# Altium PCB LimePSB-RPCM_1v2.PcbDoc (part 9 of 10) (continued)
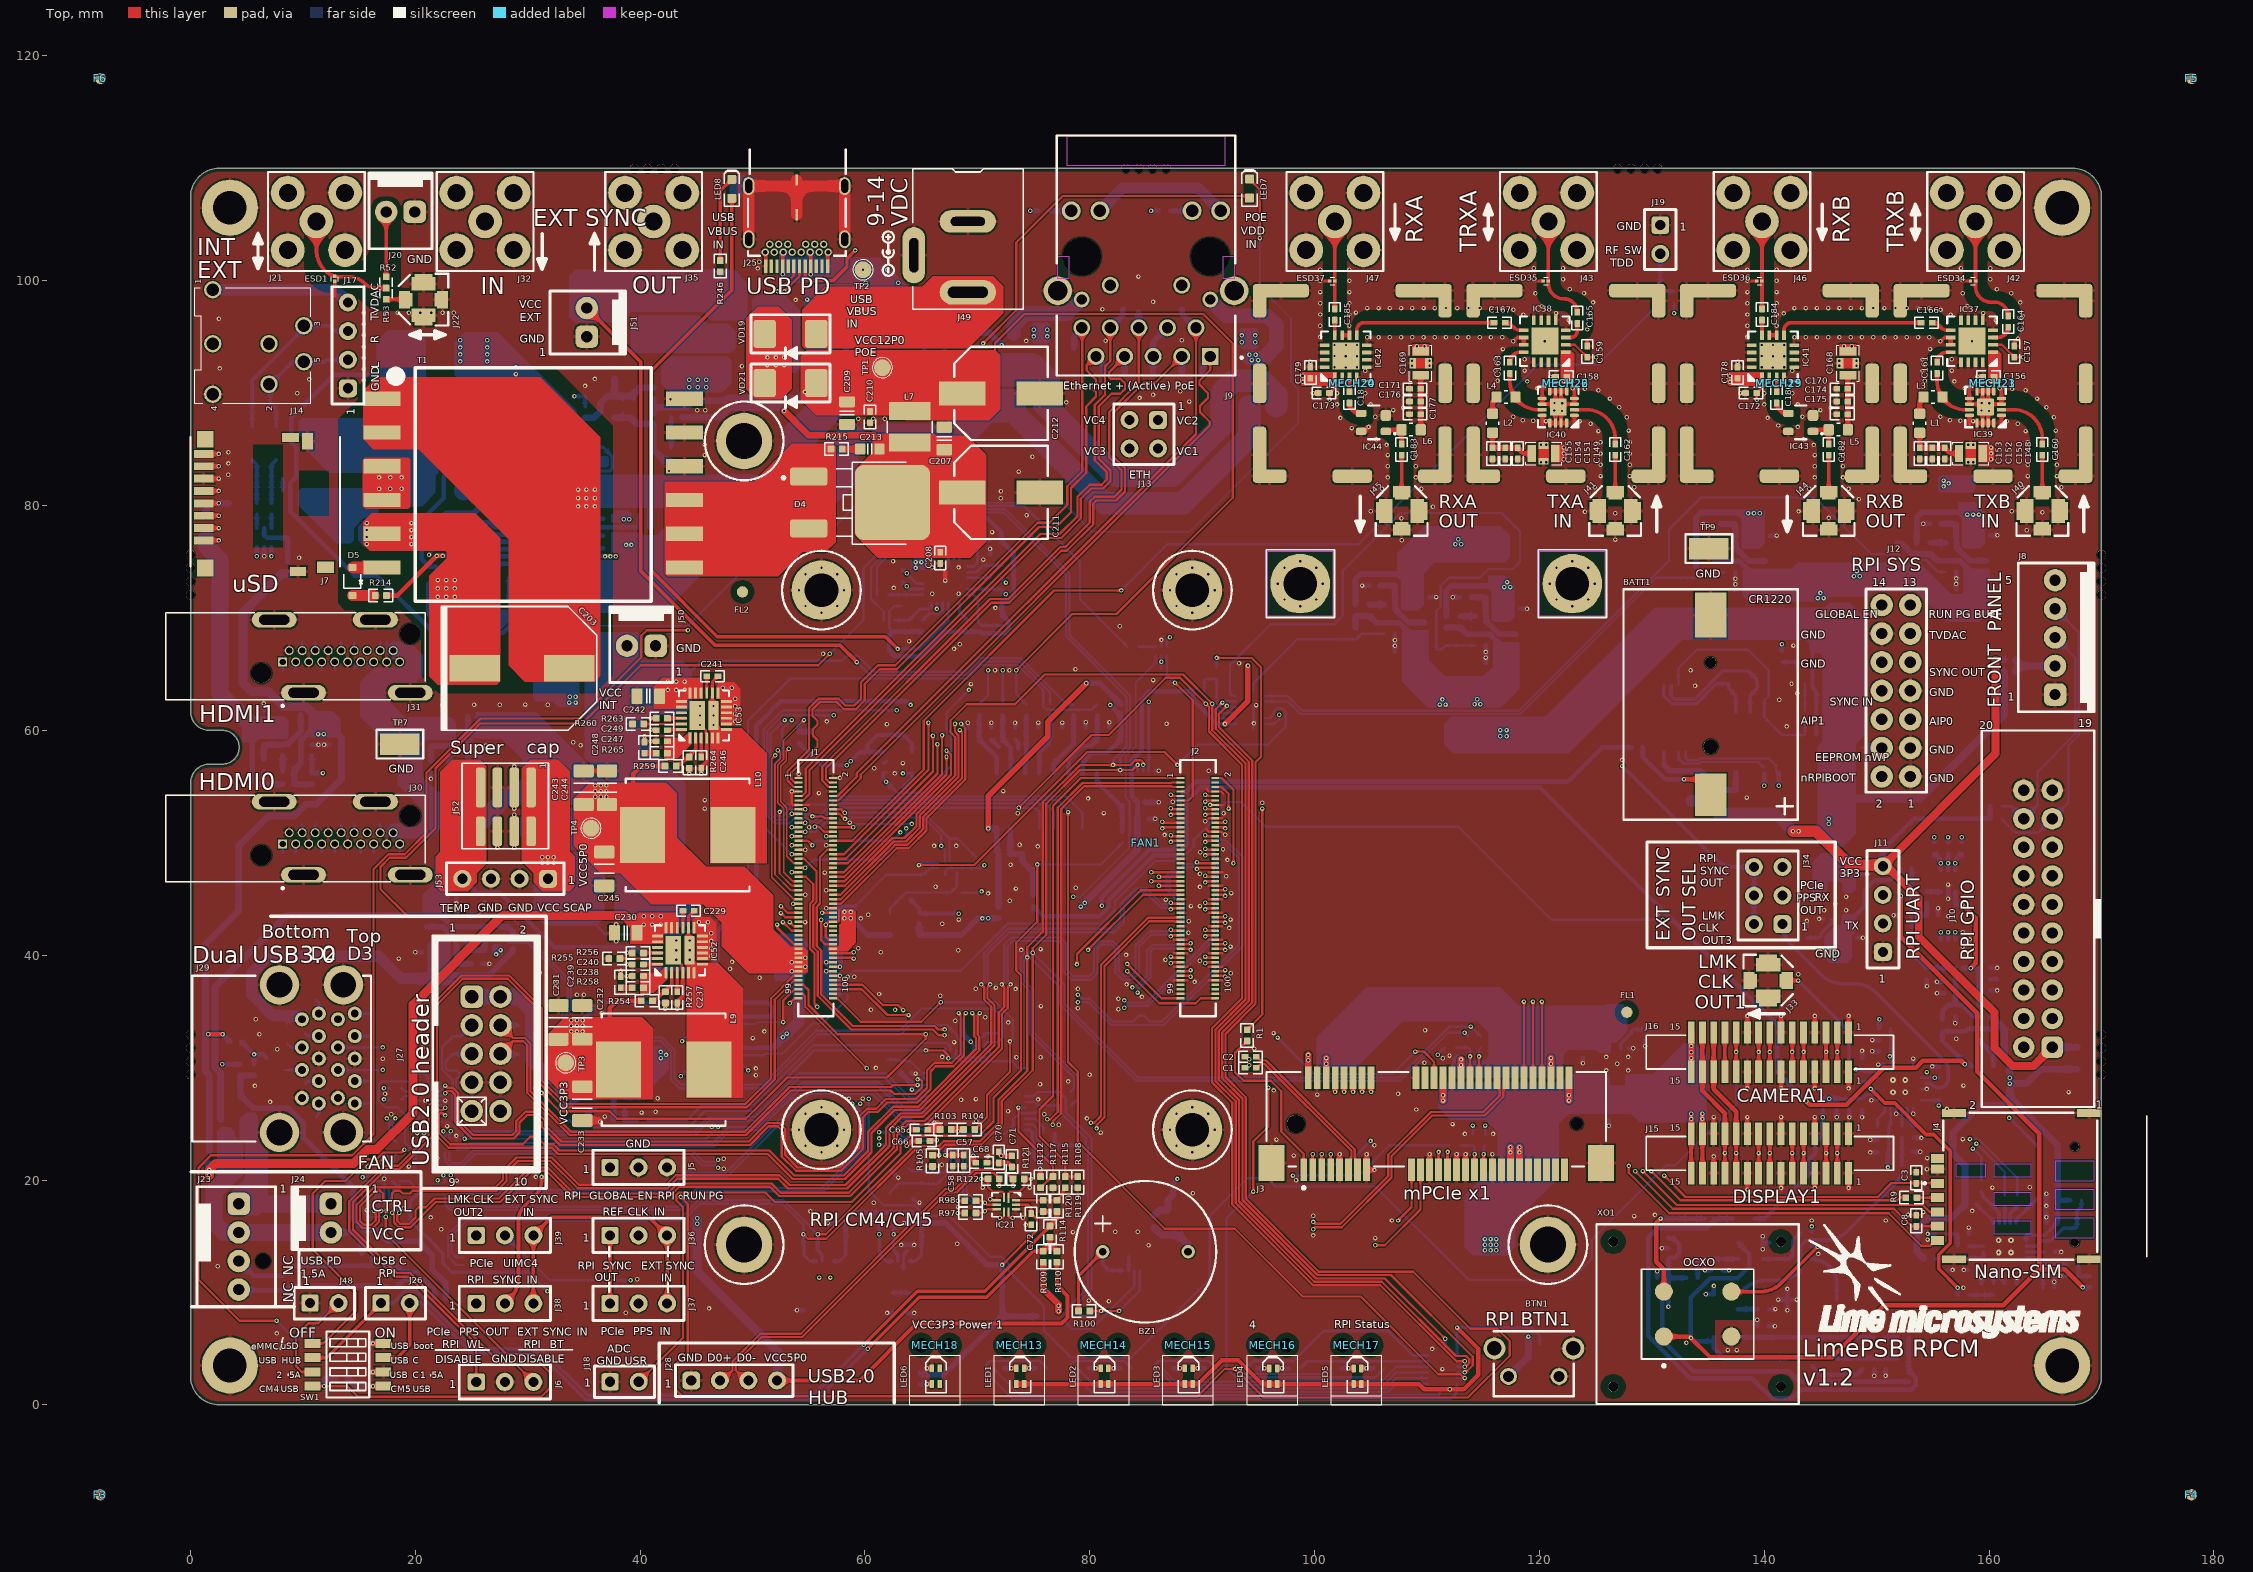
[diagram p0: Top view]
## Other copper (continued)
  region net VCC3P3_CLK: 146.875,43.525 146.875,42.8 146.75,42.675 146.35,42.675 145.4,41.725 145.4,39.725 145.8,39.325 147.325,39.325 147.775,39.775 147.775,41.75 148.2,42.175 148.2,43.35 147.925,43.625 146.975,43.625
  region net NetC251_2: 145.425,45.525 144.5,45.525 144.3,45.725 144.3,48.3 145.05,49.05 147.325,49.05 148.15,48.225 148.15,45.875 147.825,45.55 147.175,45.55 146.975,45.75 146.975,46.4 146.8,46.575 145.8,46.575 145.6,46.375 145.6,45.675 145.45,45.525
  region net VCC_FAN: 2.5,18.35 4.675,20.525 4.675,23.125 3.875,23.925 3.125,23.925 3.125,20.25 2.5,19.625
  region net NetC50_2: 5.1,23.225 4.875,23 4.875,20.175 3.3,18.6 3.3,16.95 3.375,16.875 6.05,16.875 6.875,17.7 6.875,22.525 6.175,23.225
  region net VCC_INT: 48.1,92.925 48.1,90.875 47.325,90.1 42.6,90.1 41.875,90.825 41.875,92.45 42.65,93.225 47.8,93.225
  region net NetFR13_1: 39.15,96.65 39.15,93.8 39.35,93.6 42.5,93.6 48.075,93.6 48.45,93.975 48.45,95.525 47.8,96.175 45.95,96.175 45.25,96.875 39.375,96.875
  region net VCC_EXT: 49.525,96.5 46.3,96.5 45.575,97.225 39.25,97.225 38.35,96.325 34.125,96.325 33.7,96.75 33.7,100.45 34.225,100.975 48.35,100.975 49.525,99.8
  region net POE_IN+: 33.7,79.2 30.25,79.2 29.825,79.625 29.825,82.125 30.475,82.775 34.1,82.775 35.975,82.775 35.975,79.45 35.725,79.2
  region net GNDE2: 26.325,74.425 26.325,72.45 25.9,72.025 25.625,72.025 25.4,71.8 25.4,70.725 24.55,69.875 21.35,69.875 20.95,70.275 20.95,73.1 21.55,73.7 24.125,73.7 24.85,74.425
  region net NetR229_1: 17.35,88.325 16.55,89.125 16.55,94.6 17.55,95.6 20.075,95.6 20.925,94.75 20.925,88.9 20.35,88.325
  region net GNDE1: 37.425,77.65 38.4,77.65 38.475,77.575 40.15,77.575 40.6,77.125 44.975,77.125 44.975,75.95 43.075,74.05 37,74.05 38.2,75.25 38.2,75.7 38.05,75.85 37.425,75.85
  region net POE_IN+: 33.7,79.2 33.2,79.7 33.2,81.425 35.675,81.425 36.45,80.65 36.45,79.925 35.725,79.2
  region net GNDE1: 43.3,75.125 43.5,74.925 40.35,71.775 33.475,71.775 31.45,73.8 31.45,75.125
  region net VCC5P0_HDMI: 23.585,59.323 23.435,59.173 20.96,59.173 20.612,58.825 19.487,58.825 19.487,60.325 20.335,61.173 23.16,61.173 23.585,60.748
  region net VCC5P0: 25.375,61.623 25.375,60.013 25.085,59.723 25.535,59.273 27.76,59.273 28.26,59.773 28.26,60.873 27.51,61.623
  region net VCC_USB_PD: 54.6,99.2 54.6,94.075 55.4,93.275 56.5,93.275 60.15,96.925 60.15,99.075 59.525,99.7 55.1,99.7
  region net VCC5P0: 20.66,43.23 22.27,43.23 22.56,42.94 23.01,43.39 23.01,45.615 22.51,46.115 21.41,46.115 20.66,45.365
  region net VCC5P0_USBS: 22.96,41.44 23.11,41.29 23.11,38.815 23.458,38.467 23.458,37.342 21.958,37.342 21.11,38.19 21.11,41.015 21.535,41.44
  region net VCC5P0_RFA: 118.225,67.86 116.615,67.86 116.325,68.15 115.875,67.7 115.875,65.475 116.375,64.975 117.475,64.975 118.225,65.725
  region net VCC5P0_TXB_PA: 157.773,76.19 157.623,76.34 157.623,78.815 157.275,79.163 157.275,80.288 158.775,80.288 159.623,79.44 159.623,76.615 159.198,76.19
  region net VCC5P0_RFB: 160.073,74.4 158.463,74.4 158.173,74.69 157.723,74.24 157.723,72.015 158.223,71.515 159.323,71.515 160.073,72.265
  region net VCC5P0_RFB: 140.435,74.372 138.825,74.372 138.535,74.663 138.085,74.213 138.085,71.987 138.585,71.487 139.685,71.487 140.435,72.237
  region net VCC5P0_RXB_LNA: 138.135,76.162 137.985,76.312 137.985,78.788 137.637,79.136 137.637,79.65 139.748,79.65 139.985,79.413 139.985,76.587 139.56,76.162
  region net VCC5P0_TXA_PA: 115.925,69.65 115.775,69.8 115.775,72.275 115.427,72.623 115.427,73.748 116.927,73.748 117.775,72.9 117.775,70.075 117.35,69.65
  region net VCC5P0_RXA_LNA: 107.848,70.69 107.698,70.84 107.698,73.315 107.35,73.663 107.35,74.788 108.85,74.788 109.698,73.94 109.698,71.115 109.273,70.69
  region net VCC5P0_RFA: 110.148,68.9 108.538,68.9 108.248,69.19 107.798,68.74 107.798,66.515 108.298,66.015 109.398,66.015 110.148,66.765

## Silkscreen, mask and mechanical layers (free items; w line width, h text height)
TopOverlay:
  drawing of 2463 lines, arcs and shapes, not listed
  text "POE" at 93.85,105.3 h0.7
  text "USB" at 46.425,105.275 h0.7
  text "EXT SYNC" at 30.5,104.85 h1.5
  text "9-14" at 62.2,104.825 h2.5 r90
  text "VDC" at 64.275,104.825 h2.5 r90
  text "GND" at 126.875,104.475 h0.7
  text "1" at 132.5,104.45 h0.7
  text "VDD" at 93.45,104.075 h0.7
  text "VBUS" at 46.025,104.05 h0.7
  text "RXA" at 109.625,103.35 h1.5 r90
  text "RXB" at 147.625,103.35 h1.5 r90
  text "IN" at 93.875,102.875 h0.7
  text "IN" at 46.45,102.85 h0.7
  text "TRXA" at 114.425,102.525 h1.5 r90
  text "TRXB" at 152.425,102.525 h1.5 r90
  text "RF" at 125.875,102.35 h0.7
  text "SW" at 127.55,102.35 h0.7
  text "INT" at 0.575,102.275 h1.5
  text "GND" at 19.275,101.575 h0.7
  text "TDD" at 126.3,101.25 h0.7
  text "EXT" at 0.6,100.225 h1.5
  text "OUT" at 39.275,98.825 h1.5
  text "IN" at 25.825,98.8 h1.5
  text "USB PD" at 49.45,98.325 h2.5
  text "USB" at 58.675,98 h0.7
  text "VCC" at 29.225,97.55 h0.7
  text "VBUS" at 58.375,96.925 h0.7
  text "TVDAC" at 16.725,96.425 h0.7 r90
  text "EXT" at 29.275,96.4 h0.7
  text "IN" at 58.4,95.825 h0.7
  text "GND" at 29.3,94.5 h0.7
  text "R" at 16.725,94.45 h0.7 r90
  text "VCC12P0" at 59.075,94.35 h0.7
  text "1" at 31,93.275 h0.7
  text "POE" at 59.075,93.275 h0.7
  text "L" at 16.775,92.225 h0.7 r90
  text "Ethernet + (Active) PoE" at 77.65,90.3 h0.7
  text "GND" at 16.775,90.175 h0.7 r90
  text "1" at 87.825,88.475 h0.7
  text "1" at 14.625,88.05 h0.7 r90
  text "VC4" at 79.475,87.225 h0.7
  text "VC2" at 87.725,87.175 h0.7
  text "VC1" at 87.75,84.5 h0.7
  text "VC3" at 79.5,84.475 h0.7
  text "ETH" at 83.525,82.375 h0.7
  text "RXA" at 111.05,79.775 h1.2
  text "TXA" at 120.7,79.775 h1.2
  text "RXB" at 149.05,79.775 h1.2
  text "TXB" at 158.7,79.775 h1.2
  text "OUT" at 111.05,78.05 h1.2
  text "IN" at 121.25,78.05 h1.2
  text "OUT" at 149.05,78.05 h1.2
  text "IN" at 159.25,78.05 h1.2
  text "RPI SYS" at 147.725,74.15 h1.2
  text "GND" at 133.925,73.575 h0.7
  text "5" at 161.425,73 h0.7
  text "14" at 149.6,72.825 h0.7
  text "13" at 152.325,72.825 h0.7
  text "uSD" at 3.7,72.275 h1.5
  text "CR1220" at 138.6,71.3 h0.7
  text "GLOBAL EN" at 144.525,69.975 h0.7
  text "RUN PG BUFF" at 154.625,69.975 h0.7
  text "PANEL" at 161.075,68.775 h1.2 r90
  text "GND" at 143.229,68.136 h0.7
  text "TVDAC" at 154.679,68.107 h0.7
  text "GND" at 43.2,66.975 h0.7
  text "GND" at 143.229,65.593 h0.7
  text "1" at 43.15,64.85 h0.7
  text "SYNC OUT" at 154.679,64.814 h0.7
  text "GND" at 154.679,63.021 h0.7
  text "VCC" at 36.35,62.975 h0.7
  text "1" at 161.65,62.625 h0.7
  text "SYNC IN" at 145.85,62.2 h0.7
  text "FRONT" at 161.1,62 h1.2 r90
  text "INT" at 36.375,61.9 h0.7
  text "HDMI1" at 0.775,60.725 h1.5
  text "AIP1" at 143.229,60.507 h0.7
  text "AIP0" at 154.679,60.479 h0.7
  text "19" at 167.95,60.275 h0.7
  text "20" at 159.15,60.125 h0.7
  text "cap" at 29.925,57.925 h1.2
  text "GND" at 154.679,57.936 h0.7
  text "Super" at 23.125,57.9 h1.2
  text "EEPROM nWP" at 144.525,57.25 h0.7
  text "GND" at 17.625,56.25 h0.7
  text "nRPIBOOT" at 143.229,55.421 h0.7
  text "GND" at 154.679,55.393 h0.7
  text "HDMI0" at 0.725,54.675 h1.5
  text "2" at 149.925,53.125 h0.7
  text "1" at 152.775,53.125 h0.7
  text "RPI" at 134.2,48.25 h0.7
  text "VCC" at 146.7,48.025 h0.7
  text "SYNC" at 134.325,47.15 h0.7
  text "3P3" at 146.724,46.925 h0.7
  text "1" at 33.6,46.325 h0.7
  text "VCC5P0" at 35.275,46.1 h0.7 r90
  text "OUT" at 134.3,46.1 h0.7
  text "PCIe" at 143.2,45.85 h0.7
  text "SYNC" at 131.575,45.175 h1.2 r90
  text "SEL" at 133.925,45.15 h1.2 r90
  text "RX" at 144.475,44.8 h0.7
  text "PPS" at 142.85,44.75 h0.7
  text "GND" at 25.557,43.85 h0.7
  text "GND" at 28.25,43.85 h0.7
  text "VCC" at 30.85,43.85 h0.7
  text "SCAP" at 33.175,43.85 h0.7
  text "TEMP" at 22.2,43.825 h0.7
  text "OUT" at 143.2,43.625 h0.7
  text "LMK" at 134.5,43.175 h0.7
  text "TX" at 147.2,42.275 h0.7
  text "1" at 143.3,42.175 h0.7
  text "CLK" at 134.15,42.1 h0.7
  text "2" at 29.3,41.925 h0.7
  text "Bottom" at 6.35,41.525 h1.2
  text "EXT" at 131.575,41.225 h1.2 r90
  text "OUT" at 133.9,41.225 h1.2 r90
  text "Top" at 13.9,41.125 h1.2
  text "OUT3" at 134.475,40.975 h0.7
  text "GND" at 144.555,39.791 h0.7
  text "RPI UART" at 153.825,39.575 h1.2 r90
  text "D2" at 10.675,39.55 h1.2
  text "D3" at 13.925,39.55 h1.2
  text "RPI GPIO" at 158.675,39.5 h1.2 r90
  text "Dual USB3.0" at 0.15,39.3 h1.5
  text "LMK" at 134.125,38.85 h1.2
  text "1" at 150.2,37.55 h0.7
  text "CLK" at 134.125,37.075 h1.2
  text "OUT1" at 133.825,35.25 h1.2
  text "CAMERA1" at 137.575,26.925 h1.2
  text "1" at 169.5,26.325 h0.7
  text "2" at 158.225,26.3 h0.7
  text "VCC3P3" at 33.55,24.925 h0.7 r90
  text "GND" at 38.7,22.85 h0.7
  text "USB2.0 header" at 21.25,21.225 h1.5 r90
  text "FAN" at 14.875,20.95 h1.2
  text "1" at 34.9,20.625 h0.7
  text "10" at 28.775,19.475 h0.7
  text "9" at 22.95,19.45 h0.7
  text "1" at 7.95,18.875 h0.7
  text "1" at 16.1,18.875 h0.7
  text "mPCIe x1" at 107.875,18.25 h1.2
  text "RPI" at 33.25,18.225 h0.7
  text "GLOBAL" at 35.45,18.225 h0.7
  text "EN" at 39.8,18.225 h0.7
  text "RPI" at 41.575,18.225 h0.7
  text "RUN" at 43.775,18.225 h0.7
  text "PG" at 46.1,18.225 h0.7
  text "LMK" at 22.875,17.95 h0.7
  text "CLK" at 25.134,17.95 h0.7
  text "EXT" at 27.975,17.95 h0.7
  text "SYNC" at 30.15,17.95 h0.7
  text "DISPLAY1" at 137.2,17.925 h1.2
  text "CTRL" at 16.125,17.2 h1
  text "REF" at 36.65,16.825 h0.7
  text "CLK" at 38.9,16.825 h0.7
  text "IN" at 41.25,16.825 h0.7
  text "OUT2" at 23.4,16.775 h0.7
  text "IN" at 29.6,16.775 h0.7
  text "RPI CM4/CM5" at 55.075,15.9 h1.2
  text "VCC" at 16.15,14.675 h1
  text "1" at 23,14.525 h0.7
  text "1" at 34.9,14.525 h0.7
  text "USB C" at 16.275,12.475 h0.7
  text "USB PD" at 9.825,12.45 h0.7
  text "PCIe" at 24.825,12.25 h0.7
  text "UIMC4" at 27.8,12.25 h0.7
  text "RPI" at 34.45,12.025 h0.7
  text "SYNC" at 36.65,12.025 h0.7
  text "EXT" at 40.1,12.025 h0.7
  text "SYNC" at 42.275,12.025 h0.7
  text "NC" at 9.15,11.475 h0.9 r90
  text "RPI" at 16.75,11.35 h0.7
  text "1.5A" at 9.8,11.325 h0.7
  text "Nano-SIM" at 158.675,11.275 h1.2
  text "OUT" at 35.95,10.975 h0.7
  text "IN" at 41.875,10.95 h0.7
  text "RPI" at 24.625,10.775 h0.7
  text "SYNC" at 26.875,10.775 h0.7
  text "IN" at 29.9,10.775 h0.7
  text "1" at 10.025,10.65 h0.7
  text "1" at 16.525,10.65 h0.7
  text "NC" at 9.125,9.1 h0.9 r90
  text "1" at 23,8.475 h0.7
  text "1" at 34.9,8.475 h0.7
  text "RPI BTN1" at 115.2,7.05 h1.2
  text "RPI Status" at 101.725,6.8 h0.7
  text "VCC3P3 Power" at 64.2,6.75 h0.7
  text "1" at 71.7,6.75 h0.7
  text "4" at 94.2,6.75 h0.7
  text "PCIe" at 36.475,6.2 h0.7
  text "PPS" at 39.4,6.2 h0.7
  text "IN" at 41.75,6.2 h0.7
  text "PCIe" at 21.025,6.15 h0.7
  text "PPS" at 23.9,6.15 h0.7
  text "OUT" at 26.25,6.15 h0.7
  text "EXT" at 29.075,6.15 h0.7
  text "SYNC" at 31.325,6.15 h0.7
  text "IN" at 34.35,6.15 h0.7
  text "OFF" at 8.775,5.95 h0.9
  text "ON" at 16.375,5.95 h0.9
  text "RPI" at 29.65,5.05 h0.7
  text "BT" at 31.95,5.05 h0.7
  text "RPI" at 22.375,5.025 h0.7
  text "WL" at 24.575,5.025 h0.7
  text "eMMC" at 5.4,4.921 h0.6
  text "uSD" at 8.025,4.926 h0.6
  text "USB" at 17.8,4.925 h0.6
  text "boot" at 19.85,4.925 h0.6
  text "ADC" at 37.075,4.65 h0.7
  text "GND" at 43.35,3.85 h0.7
  text "D0+" at 45.95,3.85 h0.7
  text "D0-" at 48.6,3.85 h0.7
  text "VCC5P0" at 51.025,3.85 h0.7
  text "GND" at 26.775,3.725 h0.7
  text "DISABLE" at 29.175,3.725 h0.7
  text "DISABLE" at 21.75,3.7 h0.7
  text "USB" at 6.05,3.65 h0.6
  text "HUB" at 8.125,3.65 h0.6
  text "USB" at 17.825,3.65 h0.6
  text "C" at 19.75,3.65 h0.6
  text "GND" at 36.15,3.575 h0.7
  text "USR" at 38.625,3.575 h0.7
  text "2" at 7.675,2.375 h0.6
  text "5A" at 8.775,2.375 h0.6
  text "USB" at 17.725,2.375 h0.6
  text "C" at 19.775,2.375 h0.6
  text "1" at 20.45,2.375 h0.6
  text "5A" at 21.475,2.375 h0.6
  text "USB2.0" at 54.925,1.975 h1.2
  text "1" at 35.016,1.625 h0.7
  text "1" at 42.175,1.5 h0.7
  text "1" at 23,1.488 h0.7
  text "LimePSB RPCM  / v1.2" at 143.425,1.15 h2.6
  text "CM4" at 6.125,1.13 h0.6
  text "USB" at 8.025,1.125 h0.6
  text "CM5" at 17.825,1.105 h0.6
  text "USB" at 19.775,1.1 h0.6
  text "HUB" at 54.975,0.075 h1.2
BottomOverlay:
  circle w0.2: c49.25,85.75 r3.5
  circle w0.2: c49.25,14.25 r3.5
  circle w0.2: c120.75,14.25 r3.5
  circle w0.2: c89.125,72.475 r3.5
  circle w0.2: c89.125,24.475 r3.5
  circle w0.2: c56.125,24.475 r3.5
  circle w0.2: c56.125,72.475 r3.5
  region: 162.793,90.374 169.75,90.374 169.75,101.026 162.793,101.026
  lines w0.15: 5.6,55.125 7.3,55.125 ; 9.95,26.325 10.75,27.125 10.75,27.85 10.4,28.2 ; 17.35,55.975 18.85,54.475 18.85,53.35 17.5,52 ; 24.175,25.325 23.75,24.9 ; 24.175,26.95 23.75,27.375 ; 25.875,25.325 26.3,24.9 ; 25.875,26.95 26.3,27.375 ; 147.313,8.638 148.688,9.013 ; 23.75,24.9 26.3,24.9 ; 23.75,24.9 23.75,27.375 ; 23.75,27.375 26.3,27.375 ; 26.3,24.9 26.3,27.375 ; 95.687,70.038 95.687,76.063 101.762,76.063 101.762,70.038 95.687,70.038 ; 119.887,70.038 119.887,76.063 125.962,76.063 125.962,70.038 119.887,70.038
  text "GND" at 47.55,48.4 h0.7
  text "GND" at 124.225,44.575 h0.7
  text "CLK" at 144.7,38.025 h0.7
  text "VCC3P3" at 149.25,38.025 h0.7
  text "VCC1P5" at 129.325,36.175 h0.7
TopSolder:
  region: 53.525,102.425 54.325,102.425 54.325,102.625 53.525,102.625
  region: 51.05,102.825 51.6,103.375 53.05,103.375 53.6,102.825 53.6,102.62 53.355,102.375 51.295,102.375 51.05,102.62
  region: 56.8,102.825 56.25,103.375 54.8,103.375 54.25,102.825 54.25,102.62 54.495,102.375 56.555,102.375 56.8,102.62
BottomSolder:
  region: 53.525,102.425 54.325,102.425 54.325,102.625 53.525,102.625
  region: 51.05,102.825 51.6,103.375 53.05,103.375 53.6,102.825 53.6,102.62 53.355,102.375 51.295,102.375 51.05,102.62
  region: 56.8,102.825 56.25,103.375 54.8,103.375 54.25,102.825 54.25,102.62 54.495,102.375 56.555,102.375 56.8,102.62
Mechanical1:
  drawing of 2593 lines, arcs and shapes, not listed
  text "LimePSB RPCM v1.2" at 337.5,286.5 h7
  text "CONTROLLED IMPEDANCE" at 197.6,273 h3
  text "STACKUP AND LAYER DESCRIPTION" at 326.6,273 h3
  text "GENERAL PARAMETERS" at 211.5,266.5 h1.7
  text "Parameter" at 233.5,262.725 h1.5
  text "Layer/Layers" at 279,262.5 h1.5
  text "Value" at 309,262.5 h1.5
  text "Top" at 274,257.7 h1.5
  text "17.5um" at 301.3,257.7 h1.5
  text "Copper foil thickness" at 198.5,257.5 h1.5
  text "173um (6.8 mils)" at 300.6,253.1 h1.5
  text "Dielectric thickness between layers" at 198.5,252.5 h1.5
  text "4.2" at 301.5,247.7 h1.5
  text "Dielectric permittivity between layers (Er)" at 198.5,247.5 h1.5
  text "Top-L2" at 274,246.5 h1.5
  text "17.5um" at 301.3,242.7 h1.5
  text "Copper foil thickness" at 198.5,242.5 h1.5
  text "Bottom" at 274,241.5 h1.5
  text "173um (6.8 mils)" at 300.6,238.1 h1.5
  text "Dielectric thickness between layers" at 198.5,237.5 h1.5
  text "TH via" at 460.725,234.975 h1.52
  text "GERBER LAYER NAMES:" at 334.325,233.575 h1.52
  text "4.2" at 301.5,232.7 h1.5
  text "Dielectric permittivity between layers (Er)" at 198.5,232.5 h1.5
  text "Top-Bot" at 460.175,231.9 h1.52
  text "Bottom-L5" at 274,231.6 h1.5
  text "GTP" at 335.425,230.025 h1.52
  text "Top solder paste" at 340.525,229.675 h1
  text "GTO" at 335.425,226.95 h1.52
  text "Silkscreen" at 340.425,226.725 h1
  text "ELECTRICAL LAYERS:" at 474.725,225.475 h1.52
  text "CALCULATIONS" at 197.5,225 h1.7
  text "GTS" at 335.425,224.275 h1.52
  text "Soldermask (halogen free)" at 340.425,222.975 h1
  text "Top: RF//PWR/GND" at 475.4,222 h1.52
  text "GTL" at 335.425,221.775 h1.52
  text "0.5oz+plating" at 340.425,221.275 h1
  text "Target impedance" at 204.5,220 h1.5
  text "Single-ended" at 274,220 h1.5
  text "50R" at 300.5,220 h1.5
  text "6.8mil (173um)" at 372.285,219.1 h1
  text "IT180A: 1086X1+2113X1" at 389.385,219.1 h1.2
  text "PP" at 362.725,218.975 h1
  text "G1" at 335.425,217.275 h1.52
  text "L2: GND" at 475.425,216.975 h1.52
  text "1oz (35um)" at 340.285,216.925 h1
  text "Additional comments" at 204.5,215 h1.5
  text "Top layer, no side GND plane" at 274,215 h1.5
  text "10mil (250um)" at 372.285,214.6 h1
  text "IT180A: 2116X2" at 389.385,214.6 h1.2
  text "CORE" at 362.725,214.475 h1
  text "G2" at 335.425,212.775 h1.52
  text "L3: Signal/PWR/GND" at 475.425,212.475 h1.52
  text "1oz (35um)" at 340.285,212.425 h1
  text "IT180A: 7628X2" at 389.335,210.1 h1.2
  text "18mil (450um)" at 372.235,210.05 h1
  text "Top layer copper foil thickness" at 204.5,210 h1.5
  text "17.5 um" at 274,210 h1.5
  text "PP" at 362.725,209.975 h1
  text "G3" at 335.425,208.275 h1.52
  text "L4: PWR/Signal/GND" at 475.425,207.975 h1.52
  text "1oz (35um)" at 340.285,207.925 h1
  text "10mil (250um)" at 372.285,205.6 h1
  text "IT180A: 2116X2" at 389.385,205.6 h1.2
  text "CORE" at 362.725,205.475 h1
  text "Track width" at 204.5,205 h1.5
  text "0.325 mm (12.795 mils)" at 274,205 h1.5
  text "G4" at 335.425,203.775 h1.52
  text "L5: GND" at 475.525,203.475 h1.52
  text "1oz (35um)" at 340.285,203.425 h1
  text "IT180A: 1086X1+2113X1" at 389.41,201.3 h1.2
  text "6.8mil (173um)" at 372.285,201.1 h1
  text "PP" at 362.725,200.975 h1
  text "173um (6.8 mils)" at 274,200.1 h1.5
  text "Top layer copper foil thickness" at 204.5,200 h1.5
  text "GBL" at 335.425,199.275 h1.52
  text "Bottom: RF/Signal/PWR/GND" at 475.475,199.25 h1.52
  text "0.5oz+plating" at 340.425,198.775 h1
  text "GBS" at 335.425,196.775 h1.52
  text "173um (6.8 mils)" at 300.6,196.6 h1.5
  text "Dielectric thickness between layers" at 204.5,196 h1.5
  text "Soldermask (halogen free)" at 340.425,195.575 h1
  text "ADDITIONAL LAYERS:" at 477.725,194.975 h1.52
  text "GBO" at 335.425,194.175 h1.52
  text "Silkscreen" at 340.425,193.975 h1
  text "4.2" at 301.5,191.2 h1.5
  text "GBP" at 335.425,191.2 h1.52
  text "Bottom solder paste" at 340.425,191 h1
  text "Mechanical 1: Board cutout" at 480.425,190.775 h1.52
  text "Dielectric permittivity between layers (Er)" at 204.5,190 h1.5
  text "Top-L2" at 274,190 h1.5
  text "Total PCB thicknes: 1.6mm +/- 10%" at 359.025,188.475 h1.52
  text "Via type #1" at 417.475,188.275 h1.52
  text "ASM TOP: Assembly top" at 480.425,187.775 h1.52
  text "0.2mm drill / 0.4mm ring" at 458.725,187.033 h1.2
  text "49.99 Ohms (+/- 10% tolerance)" at 274,185.1 h1.5
  text "RF (Top)" at 204,185 h2 r90
  text "Approximate microstrip line impedance" at 204.5,185 h1.5
  text "ASM BOT: Assembly bottom" at 480.425,184.775 h1.52
  text "Mechanical 13: Component 3D body" at 480.425,181.775 h1.52
  text "Target impedance" at 204.5,180 h1.5
  text "Differential" at 274,180 h1.5
  text "100R" at 300.5,180 h1.5
  text "Notes: Board shape and frame" at 480.5,178.85 h1.52
  text "Additional comments" at 204.5,175 h1.5
  text "Top layer, no side GND plane" at 274,175 h1.5
  text "Top layer copper foil thickness" at 204.5,170 h1.5
  text "17.5 um" at 274,170 h1.5
  text "Track width" at 204.5,165 h1.5
  text "0.2 mm (7.874 mils)" at 274,165 h1.5
  text "Track spacing" at 204.5,160 h1.5
  text "0.14 mm (5.511 mils)" at 274,160 h1.5
  text "173um (6.8 mils)" at 274,155.1 h1.5
  text "Top layer copper foil thickness" at 204.5,155 h1.5
  text "173um (6.8 mils)" at 300.6,151.6 h1.5
  text "Dielectric thickness between layers" at 204.5,151 h1.5
  text "4.2" at 301.5,146.2 h1.5
  text "Dielectric permittivity between layers (Er)" at 204.5,145 h1.5
  text "Top-L2" at 274,145 h1.5
  text "100.6 Ohms (+/- 10% tolerance)" at 274,140.1 h1.5
  text "HDMI (Top)" at 204,140 h2 r90
  text "Approximate microstrip line impedance" at 204.5,140 h1.5
  text "Target impedance" at 204.5,135 h1.5
  text "Differential" at 274,135 h1.5
  text "90R" at 300.5,135 h1.5
  text "Additional comments" at 204.5,130 h1.5
  text "Top, bottom layer" at 274,130 h1.5
  text "Board Cutout" at 76.725,127.075 h1.5
  text "Top layer copper foil thickness" at 204.5,125 h1.5
  text "17.5 um" at 274,125 h1.5
  text "VERY IMPORTANT NOTES" at 326.6,121.8 h3
  text "Track width" at 204.5,120 h1.5
  text "0.2 mm (7.874 mils)" at 274,120 h1.5
  text "GENERAL PCB SPECS" at 326.6,115.3 h1.7
  text "ADDITIONAL REQUIREMENTS" at 435.6,115.3 h1.7
  text "Track spacing" at 204.5,115 h1.5
  text "0.1 mm (3.94 mils)" at 274,115 h1.5
  text "Minimum copper to copper spacing" at 327.5,110.3 h1.5
  text "0.1mm (3.9mil)" at 383,110.3 h1.5
  text "173um (6.8 mils)" at 274,110.1 h1.5
  text "Top layer copper foil thickness" at 204.5,110 h1.5
  text "173um (6.8 mils)" at 300.6,106.6 h1.5
  text "Dielectric thickness between layers" at 204.5,106 h1.5
  text "Minimum track width" at 327.5,105.3 h1.5
  text "0.1mm (3.9mil)" at 383,105.3 h1.5
  text "Electrical test : 100 % netlist." at 440.55,105.3 h1.5
  text "4.2" at 301.5,101.2 h1.5
  text "PCB thickness" at 327.5,100.3 h1.5
  text "1.6mm +/-10%" at 383,100.3 h1.5
  text "Dielectric permittivity between layers (Er)" at 204.5,100 h1.5
  text "Top-L2; Bottom-L5" at 274,100 h1.5
  text "Boards are to be individually bagged." at 440.55,95.3 h1.5
  text "86 Ohms (+/- 10% tolerance)" at 274,95.1 h1.5
  text "USB3 (Top, Bottom)" at 204,95 h2 r90
  text "Approximate microstrip line impedance" at 204.5,95 h1.5
  text "PCB material" at 327.5,90.3 h1.5
  text "IT-180A preferred or equivalent RF-rated material (up to 3 GHz or higher)" at 384,90.2 h1.5
  text "External layer" at 383,85.3 h1.5
  text "0.5 oz+plating" at 409.6,85.3 h1.5
  text "PCB vendor to silkscreen UL and RoHS compliance marks, vendor logo and date code on bottom where shown (ignore if none of the info will be placed on PCB)" at 440.55,85.3 h1.5
  text "Copper weight" at 327.5,80.5 h1.5
  text "Internal layer" at 383,80.3 h1.5
  text "1 oz" at 409.5,80.3 h1.5
  text "DARK BLUE" at 383,75.3 h1.5
  text "RPI CM4" at 71.4,74.45 h1
  text "Assembly note: Assembly house MUST provide notes in paper with shipped board if there were any changes during assembly and the board is not assembled 100% according to BOM and P&P files. Note example:" at 440.55,72.3 h1.5
  text "Both sides" at 383,70.3 h1.5
  text "NPTH" at 75.35,68.3 h1
  text "Comment" at 501.3,68.25 h1.5
  text "Part" at 441.9,67 h1.5
  text "Initial BOM asm. note" at 450.3,67 h1.5
  text "Current PCB status" at 468.3,67 h1.5
  text "Halogen free" at 383,65.3 h1.5
  text "R1" at 443.15,62 h1.5
  text "FIT" at 456.4,62 h1.5
  text "NF" at 474.65,62 h1.5
  text "Not mounted due to bad footprint" at 485.9,61.5 h1.5
  text "Solder mask" at 327.5,60.3 h1.5
  text "Glossy finish (NOT matte)" at 383,60.3 h1.5
  text "IC5" at 442.65,59 h1.5
  text "FIT" at 456.4,59 h1.5
  text "NF" at 474.65,58.5 h1.5
  text "Not mounted due to part shortage" at 485.9,58 h1.5
  text "White epoxy ink" at 383,55.3 h1.5
  text "pin 102" at 91.4,54.075 h0.55 r90
  text "pin 101" at 88.05,54.05 h0.55 r90
  text "pin 2" at 58,53.175 h0.55 r90
  text "pin 1" at 54.65,53.15 h0.55 r90
  text "Mini PCIe card" at 104.175,51.05 h1
  text "Both sides" at 383,50.3 h1.5
  text "Halogen free" at 383,45.3 h1.5
  text "Silkscreen" at 327.5,40.3 h1.5
  text "No silkscreen on pads" at 383,40.3 h1.5
  text "Plated" at 383,35.3 h1.5
  text "Non-plated" at 409.5,35.3 h1.5
  text "pin 200" at 91.075,34.725 h0.55 r90
  text "pin 199" at 87.725,34.7 h0.55 r90
  text "pin 100" at 57.675,33.825 h0.55 r90
  text "pin 99" at 54.325,33.8 h0.55 r90
  text "Hole types on the PCB and information" at 327.5,25.3 h1.5
  text "Hole diameters are final manufactured diameters INCLUDING HOLE METALIZATION." at 387.2,25.3 h1.5
  text "WiFi Cutout" at 68.875,21.425 h0.55 r90
  text "V-score" at 383.75,20.3 h1.5
  text "Tab route" at 409.5,20.3 h1.5
  text "Route process" at 327.5,15.3 h1.5
  text "V-score and tab route" at 383.75,15.3 h1.5
  text "Panel" at 327.4,10.3 h1.5
  text "Yes" at 383.75,10.3 h1.5
  text "No" at 409.5,10.3 h1.5
  text "HASL lead free" at 383.75,5.3 h1.5
  text "HASL with lead" at 383.75,0.3 h1.5
  text "Immersion gold" at 383.75,-4.7 h1.5
  text "0.05-0.10um of gold over / 2.50-5.00um of nickel" at 405.15,-4.8 h1
  text "OSP" at 383.75,-9.7 h1.5
  text "Surface finish (both sides)" at 327.3,-15 h1.5
  text "Hard gold" at 383.75,-15 h1.5
Notes:
  lines w0.1: 0,28.25 -5,28.25 -5,-5 175,-5 175,28.25 170,28.25 ; 0,34.075 -5,34.075 -5,70.925 0,70.925 ; 0,76.75 -5,76.75 -5,115 38.35,115 38.35,110 ; 44.175,110 44.175,115 82.087,115 82.087,110 ; 87.913,110 87.913,115 125.825,115 125.825,110 ; 131.65,110 131.65,115 175,115 175,76.75 170,76.75 ; 170,34.075 175,34.075 175,70.925 170,70.925 ; -15.215,-15.2 185.215,-15.2 185.215,125.2 -15.215,125.2 -15.215,-15.2
  lines w0.15: 38.35,110 2.54,110 ; 82.087,110 44.175,110 ; 125.825,110 87.913,110 ; 131.65,110 167.46,110 ; 2.54,110 ccw(c2.54,107.46) 0,107.46 0,76.75 0,70.925 0,61.672 ccw(c1.674,61.672) 1.674,59.998 2.823,59.998 cw(c2.823,58.498) 4.323,58.498 cw(c2.823,58.498) 2.823,56.998 1.674,56.998 ccw(c1.674,55.324) 0,55.324 0,55 0,34.075 0,28.25 0,2.54 ccw(c2.54,2.54) 2.54,0 167.46,0 ccw(c167.46,2.54) 170,2.54 170,28.25 170,34.075 170,70.925 170,76.75 170,107.46 ccw(c167.46,107.46) 167.46,110 ; 2.54,110 167.46,110 ; 44.175,110 44.175,110 ; 87.913,110 87.913,110
ASM BOT:
  lines w0.1: 4.075,82.975 5.4,82.375 ; 4.725,80.4 5.4,81.325 ; 4.975,78.475 5.9,79.725
  lines w0.15: 38.35,110 2.54,110 ; 82.087,110 44.175,110 ; 108.6,69.85 109.798,69.1 ; 125.825,110 87.913,110 ; 131.65,110 167.46,110 ; 163.525,16.375 165.6,17.2 ; 2.54,110 ccw(c2.54,107.46) 0,107.46 0,76.75 0,70.925 0,61.672 ccw(c1.674,61.672) 1.674,59.998 2.823,59.998 cw(c2.823,58.498) 4.323,58.498 cw(c2.823,58.498) 2.823,56.998 1.674,56.998 ccw(c1.674,55.324) 0,55.324 0,55 0,34.075 0,28.25 0,2.54 ccw(c2.54,2.54) 2.54,0 167.46,0 ccw(c167.46,2.54) 170,2.54 170,28.25 170,34.075 170,70.925 170,76.75 170,107.46 ccw(c167.46,107.46) 167.46,110 ; 2.54,110 167.46,110 ; 44.175,110 44.175,110 ; 87.913,110 87.913,110
  lines w0.2: 24.45,79.55 24.95,78.5
  text "Assembly bottom" at 93.65,110.925 h1.25
ASM TOP:
  drawing of 339 lines, arcs and shapes, not listed
  text "Assembly top" at 78.15,114.45 h1.25
  text "M2 screw, ex. MECH1" at 96.9,70.625 h0.55
  text "M2 screw, ex. MECH1" at 114.25,70.55 h0.55
  text "M2 screw, ex. MECH1" at 51.475,70.3 h0.55
  text "M2 screw, ex. MECH1" at 84.45,70.175 h0.55
  text "Jumper, ex. JMP2" at 132.3,47.875 h0.55
  text "LimeSDR-XTRX is mounted into J3 connector first, then 2 pcs. of M2 screws are added to hold it in place." at 103.975,45.925 h0.7
  text "Raspberry CM4 is mounted on top of J1 and J2 connectors first, then 4 pcs. of M2 screws are added to hold it in place." at 65.35,42.4 h0.7
  text "M2 screw, ex. MECH1" at 51.35,22.525 h0.55
  text "pin 9 removed" at 22.9,22.5 h0.55
  text "M2 screw, ex. MECH1" at 84.35,22.425 h0.55
  text "Jumper, ex. JMP2" at 31.8,4.25 h0.55
  text "FAN screws and spacers assembly" at 45.325,-4.425 h0.9
  text "FAN wire orientation" at 137.7,-4.475 h0.9
  text "FAN wires" at 141.9,-7.225 h0.9
  text "FAN wires must face top of the board and connector J26" at 125.1,-11.625 h0.9
  text "FAN orientation and screw position" at 83.6,-11.675 h0.9
  text "FAN" at 144,-14.1 h0.9
  text "FAN top" at 92.15,-18.5 h0.9
  text "3" at 43.325,-22.75 h0.9
  text "Mounted from PCB top through FAN hole M3" at 24.975,-23.075 h0.9
  text "ex. MECH34" at 25.075,-24.45 h0.9
  text "PCB" at 159.325,-25.1 h0.9
  text "J26" at 128.825,-25.675 h0.8
  text "Screw position on the FAN" at 76,-26.525 h0.9
  text "3" at 41.678,-27.729 h0.9
  text "Spacer sleeve M3" at 25.778,-28.029 h0.9
  text "Mounted from PCB top" at 11,-29.15 h0.9
  text "ex. MECH37" at 25.75,-29.325 h0.9
  text "FAN" at 126.45,-29.35 h0.8
  text "Screw M3" at 32.878,-34.928 h0.9
  text "3" at 41.856,-34.928 h0.9
  text "Mounted from PCB bottom" at 21.525,-35.625 h0.9
  text "FAN blowing direction. Arrow MUST be facing down (on the PCB)" at 93.5,-35.775 h0.9
  text "ex. MECH40" at 21.4,-37.275 h0.9
  text "Crimp ends with MECH27, MECH28, MECH29" at 134.45,-37.325 h0.8

## Dimensions
89.125,72.475 to 85.95,69.775 on Mechanical1
56.125,72.475 to 89.125,72.475 on Mechanical1
56.125,24.475 to 56.125,72.475 on Mechanical1
2.54,110 to 2.54,0 on Mechanical1
122.925,73.05 to 170,107.46 on Mechanical1
122.925,73.05 to 125.825,110 on Mechanical1
98.725,73.05 to 122.925,73.05 on Mechanical1
166.5,106.5 to 163.7,104.75 on Mechanical1
49.25,85.75 to 52.725,88.175 on Mechanical1
0,2.54 to 56.125,24.475 on Mechanical1